# Altium PCB micro-ltc-pvt1g.PcbDoc (part 1 of 4)
Units mm, origin at the board's own origin, x right, y up, seen from the top; angles counter-clockwise.
Board outline 75.2 x 35.65 mm, 4 copper layers (Top, L2, L3, Bottom), stack 0.692 mm thick; 80 components, 47 nets, 716 pads, 100 vias.
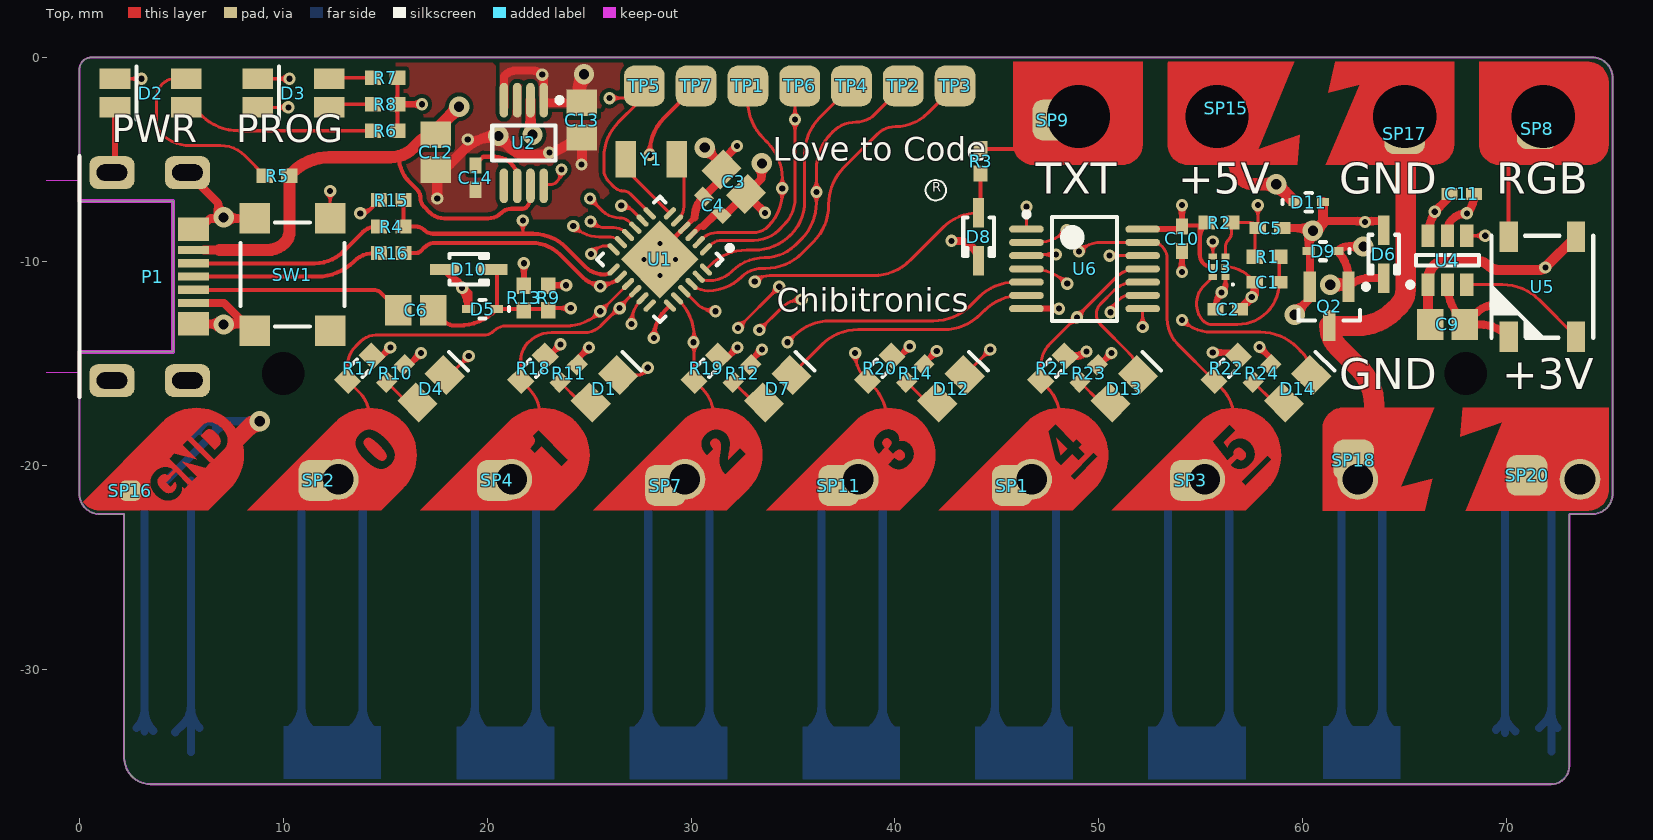
[diagram p0: Top view]
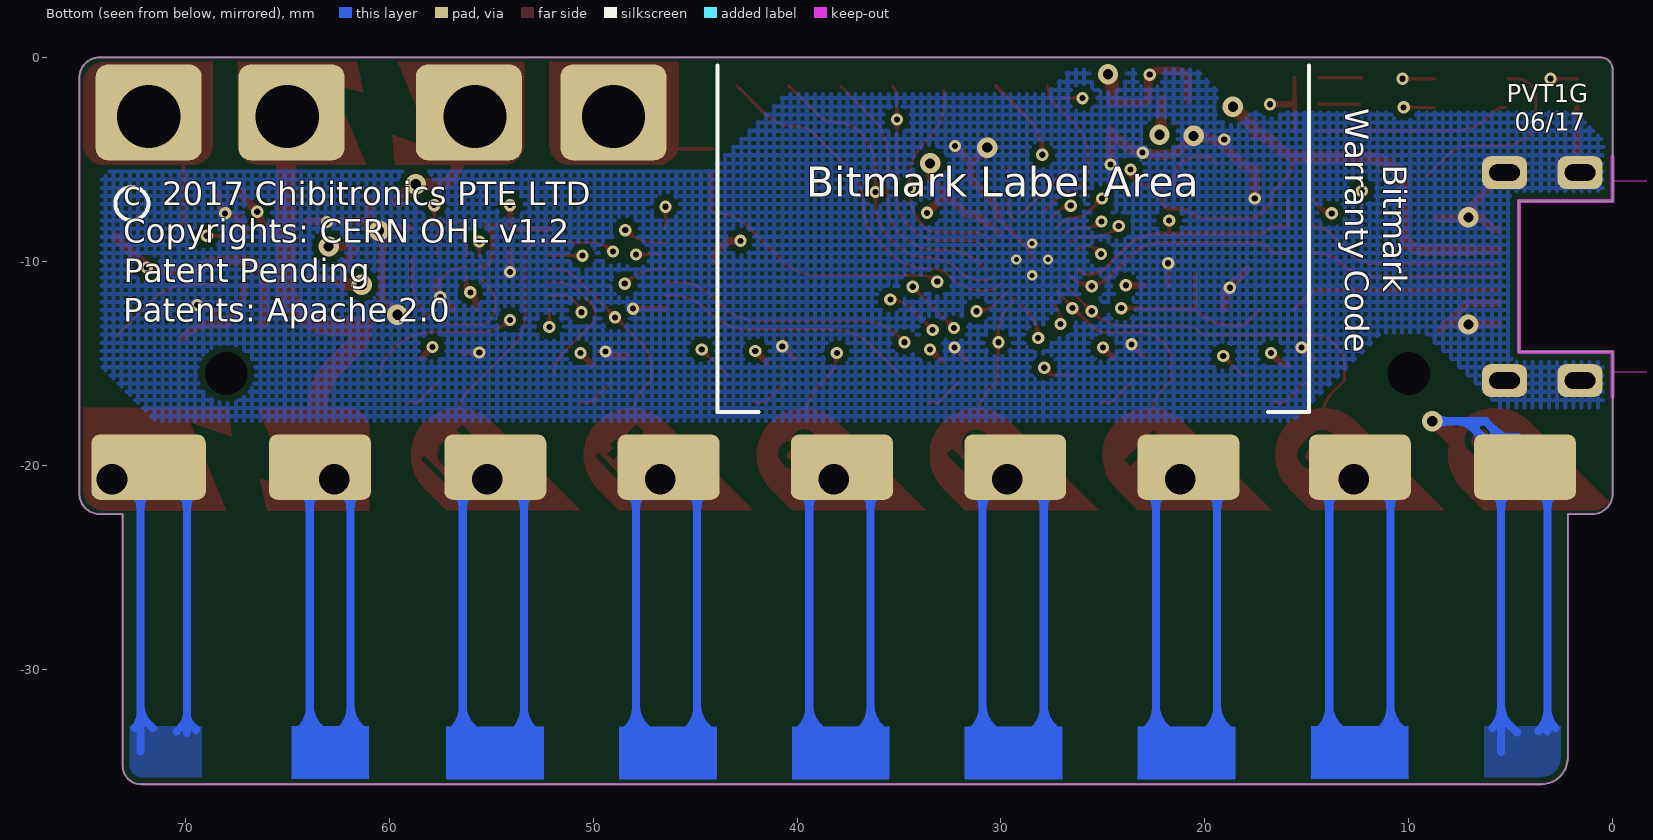
[diagram p1: Bottom view, seen from below]
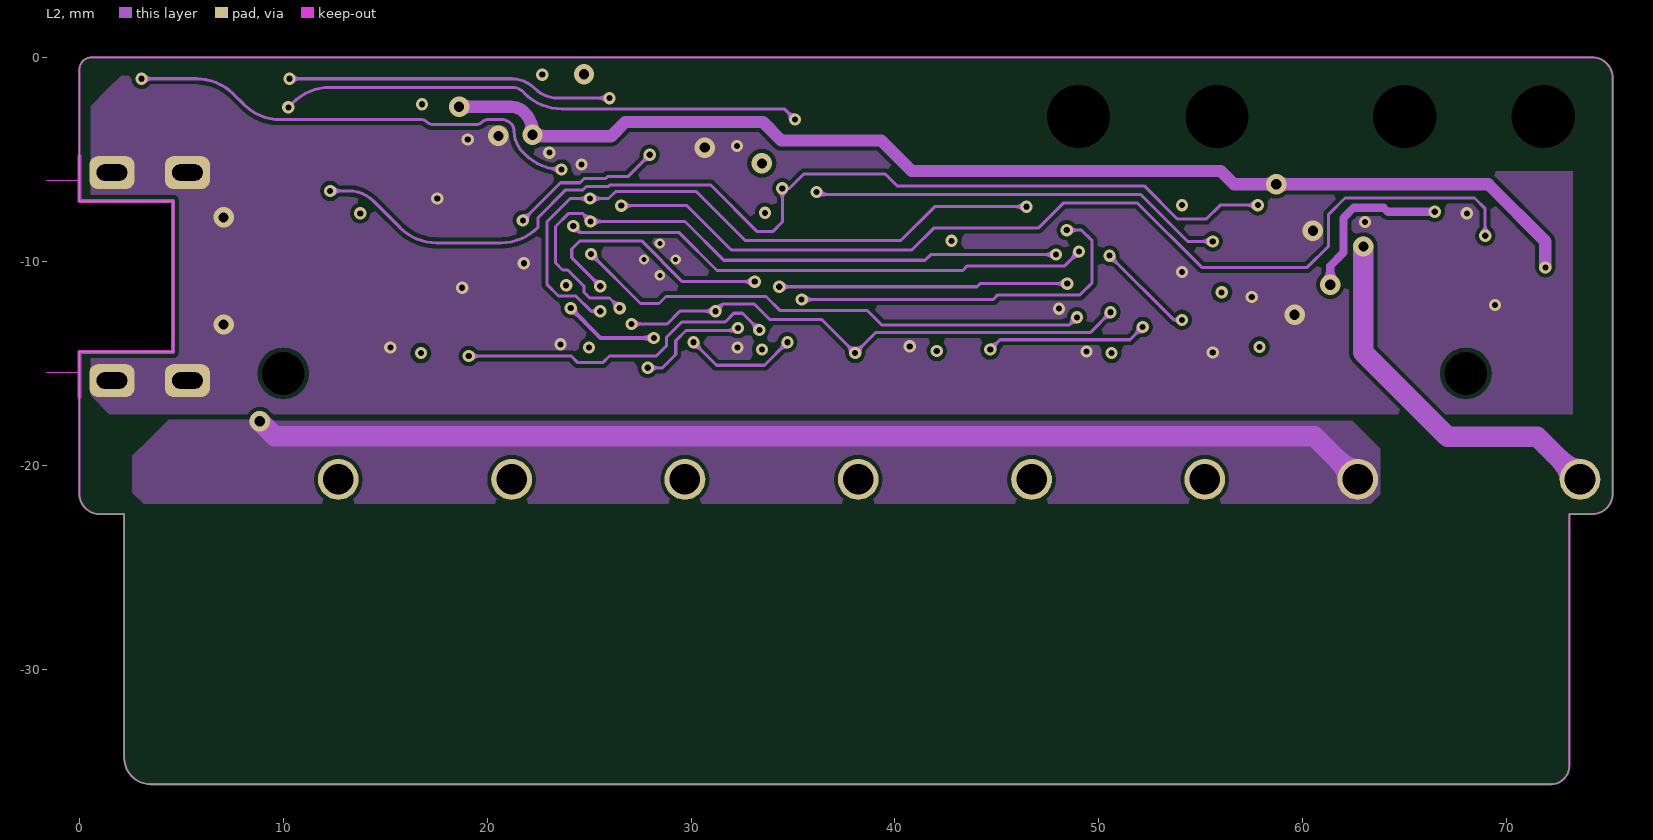
[diagram p2: L2]
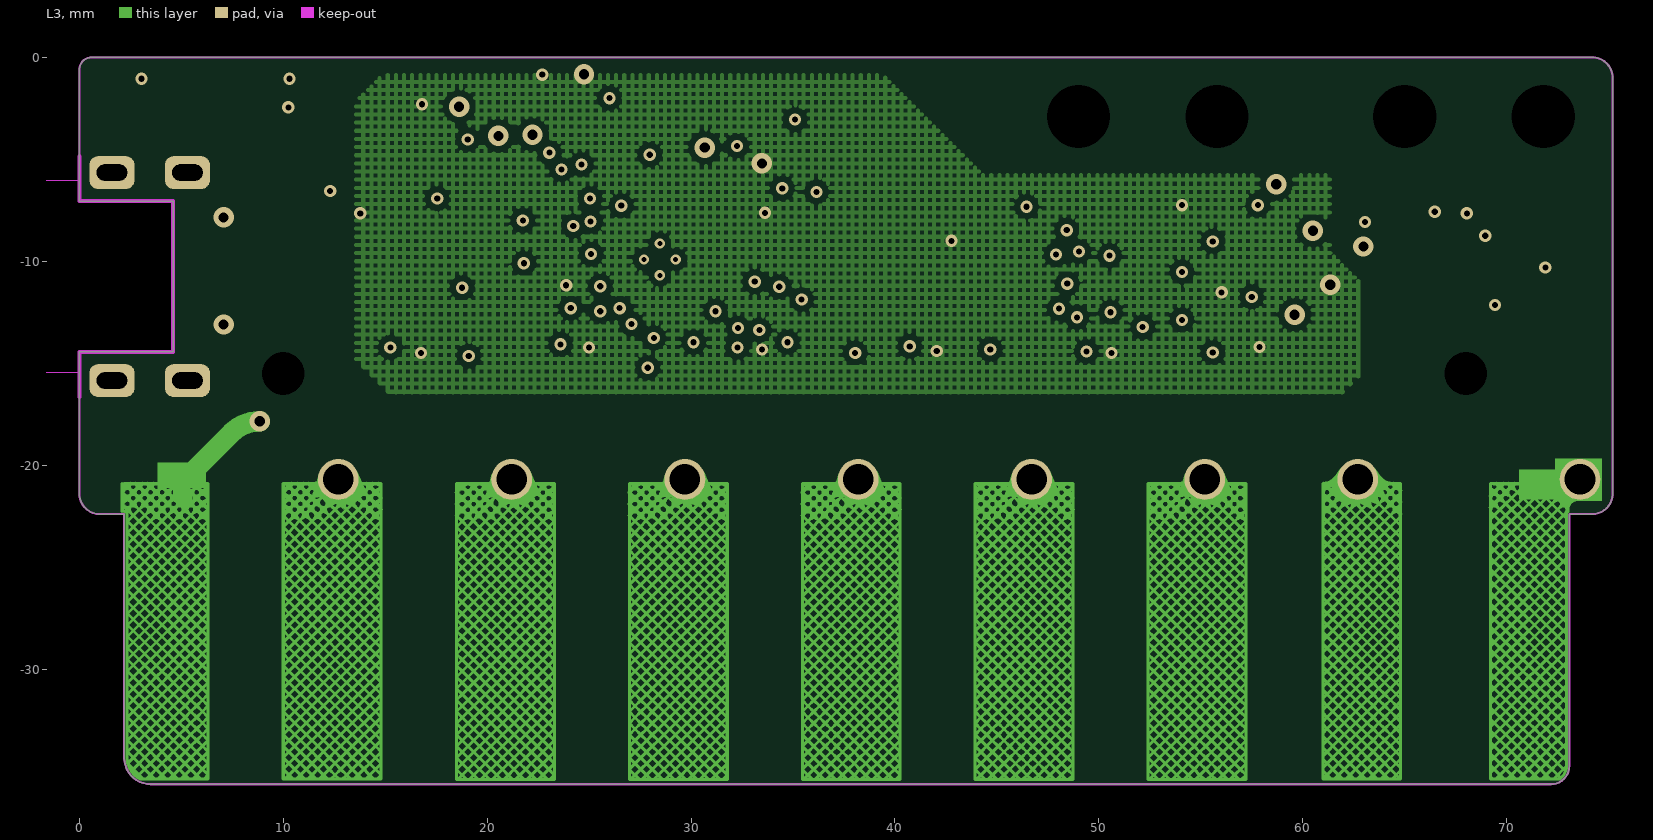
[diagram p3: L3]

## Layer stack, top to bottom
Top Solder: solder mask 0.0102, Polyimide, Dk 3.4
Top Solder: solder mask 0.0102, Solder Resist, Dk 3.5
Top: signal copper 0.036
Core: core 0.5, FR-4, Dk 4.2
L2: signal copper 0.017
NF-PP: prepreg 0.04, Dk 4.2
L3: signal copper 0.017
PI: dielectric 0.065, Dk 3.4
Bottom: signal copper 0.017
Bottom Coverlay: solder mask 0.0102, Polyimide, Dk 3.5

## Board outline
0,-21.4 0,-14.45 4.6,-14.45 4.6,-7.05 0,-7.05 0,-0.6 cw(c0.6,-0.6) 0.6,0 74.2,0 cw(c74.2,-1) 75.2,-1 75.2,-21.4 cw(c74.2,-21.4) 74.2,-22.4 73.075,-22.4 73.075,-34.75 cw(c72.175,-34.75) 72.175,-35.65 3.5,-35.65 cw(c3.5,-34.35) 2.2,-34.35 2.2,-22.4 1,-22.4 cw(c1,-21.4)
cut-out: 4.6,-7.05 0.025,-7.05 0,-7.025 0,-6.05 -1.8,-6.05 -1.8,-15.45 -1.4,-15.45 0,-15.45 0,-14.45 4.6,-14.45
board region "Layer Stack Region 1": 2.2,-22.4 1,-22.4 0.902,-22.4 0.708,-22.362 0.526,-22.286 0.363,-22.177 0.223,-22.037 0.114,-21.874 0.038,-21.692 0,-21.498 0,-21.4 0,-14.45 4.6,-14.45 4.6,-7.05 0,-7.05 0,-0.6 0,-0.481 0.091,-0.26 0.26,-0.091 0.481,0 0.6,0 74.2,0 74.298,0 74.492,-0.038 74.674,-0.114 74.837,-0.223 74.977,-0.363 75.086,-0.526 75.162,-0.708 75.2,-0.902 75.2,-1 75.2,-21.4 75.2,-21.498 75.162,-21.692 75.086,-21.874 74.977,-22.037 74.837,-22.177 74.674,-22.286 74.492,-22.362 74.298,-22.4 74.2,-22.4 74.182,-22.4
board region "Layer Stack Region 1": 73.075,-22.4 73.075,-34.75 73.075,-34.839 73.04,-35.013 72.973,-35.176 72.874,-35.324 72.749,-35.449 72.601,-35.548 72.438,-35.615 72.264,-35.65 72.175,-35.65 3.5,-35.65 3.372,-35.65 3.121,-35.6 2.884,-35.502 2.671,-35.36 2.49,-35.179 2.348,-34.966 2.25,-34.729 2.2,-34.478 2.2,-34.35 2.2,-22.4

## Design rules (kind name [scope] priority, off if disabled: settings)
Clearance Clearance_rigid_polygon [InPolygon and ((Layer = 'Top') or (Layer = 'L2'))] p1: gap=0.2 ignorepadtopadclearanceinfootprint=FALSE except(0: Arc-Hole Track-Hole SMDPad-Hole THPad-Hole Via-Hole Fill-Hole Poly-Hole Region-Hole Text-Hole)
Clearance Clearance_L4 [OnLayer('Bottom')] p2: gap=0.3 ignorepadtopadclearanceinfootprint=FALSE except(0: Arc-Hole Track-Hole SMDPad-Hole THPad-Hole Via-Hole Fill-Hole Poly-Hole Region-Hole Text-Hole)
Clearance Clearance_L3 [OnLayer('L3') and InPolygon] p3: gap=0.3 ignorepadtopadclearanceinfootprint=FALSE except(0: Arc-Hole Track-Hole SMDPad-Hole THPad-Hole Via-Hole Fill-Hole Poly-Hole Region-Hole Text-Hole)
Clearance Clearance_KO_Flex [(OnLayer('Keep-Out Layer')) vs (OnLayer('L3')) OR (OnLayer('Bottom'))] p4: gap=0.01 ignorepadtopadclearanceinfootprint=FALSE except(0: Arc-Hole Track-Hole SMDPad-Hole THPad-Hole Via-Hole Fill-Hole Poly-Hole Region-Hole Text-Hole)
Clearance Clearance_NPTH [PadIsPlated = 'False'] p5: gap=0.3 ignorepadtopadclearanceinfootprint=FALSE except(0: Arc-Hole Track-Hole SMDPad-Hole THPad-Hole Via-Hole Fill-Hole Poly-Hole Region-Hole Text-Hole)
Clearance [All] p6: gap=0.15 ignorepadtopadclearanceinfootprint=FALSE except(0: Arc-Hole Track-Hole SMDPad-Hole THPad-Hole Via-Hole Fill-Hole Poly-Hole Region-Hole Text-Hole)
ComponentClearance [All] p1 off: gap=0.254 collisioncheckmode=3 verticalgap=0.254 showdistances=FALSE
HoleSize [All] p1: absolutevalues=TRUE maxlimit=4 minlimit=0.025 maxpercent=80.000 minpercent=20.000
MinimumSolderMaskSliver [All] p1: minsoldermaskwidth=0.07
NetAntennae [All] p1 off: netantennaetolerance=0
PolygonConnect [All] p1: connectstyle=Direct reliefconductorwidth=0.254 reliefentries=4 polygonreliefangle="90 Angle" airgapwidth=0.15
RoomDefinition 01micro [InComponentClass('01micro')] p1 off: confinementstyle=ConfineIn formatcopy=TRUE lockcomponents=FALSE outline 5.525,-49.6 13.525,-49.6 13.525,-22.6 5.525,-22.6
RoutingVias [All] p1: holewidth=0.3 width=0.6 viastyle="Through Hole" minholewidth=0.25 minwidth=0.5 maxholewidth=0.5 maxwidth=1
SilkToSilkClearance [All] p1 off: silktosilkclearance=0.254
SilkToSolderMaskClearance [IsPad] p1 off: minsilkscreentomaskgap=0.254 clearancetoexposedcopper=TRUE
SolderMaskExpansion [All] p1: expansion=0.07
Width [All] p1: maxlimit=4 minlimit=0.15 preferedwidth=0.2 midlayer1_maxwidth=2 midlayer2_maxwidth=2 minimp=50.000000 maximp=50.000000 favimp=50.000000
24 further rules are at their usual default settings.

## Components (designator, comment, footprint, x,y, rotation, side; value= is the part's Value field where it differs from the comment)
C1 "0.1uF, 10V, X5R" CAPC1005N 58.25,-11.025 r180 top
C2 "0.1uF, 10V, X5R" CAPC1005N 56.325,-12.35 r0 top
C3 "10uF, 10V, X5R" CAPC2012N 32.1,-6.1 r135 top
C4 "0.1uF, 10V, X5R" CAPC1005N 31.06,-7.255 r135 top
C5 "0.01uF, 10V, X7R" CAPC1005N 58.4,-8.375 r0 top
C6 "10uF, 10V, X5R" CAPC2012N 16.5,-12.4 r0 top
C9 "10uF, 10V, X5R" CAPC2012N 67.1,-13.1 r0 top
C10 "0.1uF, 10V, X5R" CAPC1005N 54.075,-8.9 r90 top
C11 "0.1uF, 10V, X5R" CAPC1005N 67.8,-6.7 r0 top
C12 "10uF, 10V, X5R" CAPC2012N 17.475,-4.65 r270 top
C13 "10uF, 10V, X5R" CAPC2012N 24.65,-3.075 r270 top
C14 "0.033uF, 16V, X7R" CAPC1005N 19.425,-5.9 r90 top
D1 "white LED 0805" CD2012-0805 25.75,-16.25 r45 top
D2 "Red/Green Dual LED" LED_1210_DUAL 3.5,-1.75 r0 top
D3 "Red/Green Dual LED" LED_1210_DUAL 10.5,-1.75 r0 top
D4 "white LED 0805" CD2012-0805 17.25,-16.25 r45 top
D5 "ESD5Z3.3T1" SOD-523 19.775,-12.35 r180 top
D6 "NSR0530HT1G" SOD-323 63.975,-9.65 r270 top
D7 "white LED 0805" CD2012-0805 34.25,-16.25 r45 top
D8 "NSR0530HT1G" SOD-323 44.1,-8.8 r270 top
D9 "ESD5Z3.3T1" SOD-523 61,-9.5 r180 top
D10 "NSR0530HT1G" SOD-323 19.1,-10.4 r0 top
D11 "ESD5Z5.0T1G" SOD-523 60.3,-7.1 r0 top
D12 "white LED 0805" CD2012-0805 42.75,-16.25 r45 top
D13 "white LED 0805" CD2012-0805 51.25,-16.25 r45 top
D14 "white LED 0805" CD2012-0805 59.75,-16.25 r45 top
P1 "CMCUSB-5BFM12AG-01-D" FCI_10103593 6.4,-10.75 r270 top
Q2 "AO3414" SOT23-3N 61.3,-12.2 r270 top
R1 "10k, 1%" RESC1005N 58.25,-9.775 r180 top
R2 "1k, 1%" RESC1005N 55.9,-8.1 r0 top
R3 "330, 1%" RESC1005N 44.2,-5.1 r90 top
R4 "100, 1%" RESC1005N 15.3,-8.3 r180 top
R5 "470, 1%" RESC1005N 9.7,-5.8 r180 top
R6 "470, 1%" RESC1005N 15,-3.6 r180 top
R7 "470, 1%" RESC1005N 15,-1 r180 top
R8 "470, 1%" RESC1005N 15,-2.3 r180 top
R9 "1k, 1%" RESC1005N 23,-11.8 r270 top
R10 "470, 1%" RESC1005N 15.5,-15.5 r225 top
R11 "470, 1%" RESC1005N 24,-15.5 r225 top
R12 "470, 1%" RESC1005N 32.5,-15.5 r225 top
R13 "1k, 1%" RESC1005N 21.8,-11.8 r90 top
R14 "470, 1%" RESC1005N 41,-15.5 r225 top
R15 "1.5k, 1%" RESC1005N 15.3,-7 r0 top
R16 "100, 1%" RESC1005N 15.3,-9.6 r180 top
R17 "22M, 5%" RESC1608N 13.75,-15.25 r45 top
R18 "22M, 5%" RESC1608N 22.25,-15.25 r45 top
R19 "22M, 5%" RESC1608N 30.75,-15.25 r45 top
R20 "22M, 5%" RESC1608N 39.25,-15.25 r45 top
R21 "22M, 5%" RESC1608N 47.75,-15.25 r45 top
R22 "22M, 5%" RESC1608N 56.25,-15.25 r45 top
R23 "470, 1%" RESC1005N 49.5,-15.5 r225 top
R24 "470, 1%" RESC1005N 58,-15.5 r225 top
SP1 "sticker pad (DNP)" TP_2MM_SQ#1 45.75,-21 r270 top
SP2 "sticker pad (DNP)" TP_2MM_SQ#1 11.75,-20.75 r0 top
SP3 "sticker pad (DNP)" TP_2MM_SQ#1 54.5,-20.75 r270 top
SP4 "sticker pad (DNP)" TP_2MM_SQ#1 20.5,-20.75 r0 top
SP7 "sticker pad (DNP)" TP_2MM_SQ#1 28.75,-21 r0 top
SP8 "sticker pad (DNP)" TP_2MM_SQ#1 71.5,-3.5 r90 top
SP9 "sticker pad (DNP)" CHIBI-MICRO-PAD-MIN-PLACEHOLDER#1 47.75,-5 r270 top
SP11 "sticker pad (DNP)" TP_2MM_SQ#1 37.25,-21 r90 top
SP15 "sticker pad (DNP)" CHIBI-MICRO-PAD-MIN-PLACEHOLDER#2 56.25,-2.5 r90 top
SP16 "sticker pad (DNP)" TP_2MM_SQ#2 2.5,-21.25 r90 top
SP17 "sticker pad (DNP)" TP_2MM_SQ#1 65,-3.75 r90 top
SP18 "sticker pad (DNP)" TP_2MM_SQ#1 62.5,-19.75 r90 top
SP20 "sticker pad (DNP)" TP_2MM_SQ#1 71,-20.5 r90 top
SW1 "5x5mm 1.6mm tall PB" SWITCH_TS-1187A 8.6,-7.9 r0 top
TP1 "test point (DNP)" TP_2MM_SQ#1 32.79,-1.4 r0 top
TP2 "test point (DNP)" TP_2MM_SQ#1 40.41,-1.4 r0 top
TP3 "test point (DNP)" TP_2MM_SQ#1 42.95,-1.4 r0 top
TP4 "test point (DNP)" TP_2MM_SQ#1 37.87,-1.4 r0 top
TP5 "test point (DNP)" TP_2MM_SQ#1 27.71,-1.4 r0 top
TP6 "test point (DNP)" TP_2MM_SQ#1 35.33,-1.4 r0 top
TP7 "test point (DNP)" TP_2MM_SQ#1 30.25,-1.4 r0 top
U1 "MKL02Z32VFK4" QFN50P400X400X100_HS-25N 28.468,-9.913 r225 top
U2 "LP3982IMM-3.3/NOPB" MUA08A_N 21.8,-4.2 r270 top
U3 "74AUP1T97L6X" FSC-L6X-PSON50P100X55-6N 55.9,-10.275 r180 top
U4 "74LVC1T45W6-7" SOT26A-6N 67.1,-9.95 r90 top
U5 "WS2812B" WS2812B 71.75,-11.25 r270 top
U6 "74AHC14PW,118" 948G-01_N 49.3,-10.375 r0 top
Y1 "32.768kHz" ABS07-120 28.05,-5 r180 top

## Footprints (in the part's own frame and the unit in brackets; to place one, negate y for a bottom-side part, rotate by r counter-clockwise, add the part's x,y. Pads: shape width x height; smd on the part's side, far side on the other; paste and mask are expansions set on the pad)
948G-01_N [mm] "TSOP, 14-Leads, Body 5x4.4mm, Pitch 0.65mm, IPC Medium Density"
  oval 1.7x0.35 smd: 1(-2.85,1.95) 2(-2.85,1.3) 3(-2.85,0.65) 4(-2.85,0) 5(-2.85,-0.65) 6(-2.85,-1.3) 7(-2.85,-1.95) 8(2.85,-1.95) 9(2.85,-1.3) 10(2.85,-0.65) 11(2.85,0) 12(2.85,0.65) 13(2.85,1.3) 14(2.85,1.95)
  silkscreen extent -2.97,-2.55 1.6,2.8, body extent -2.25,-2.55 2.25,2.55, height 1.2
ABS07-120 [mm] "32.768kHz SMD low-ESR"
  rect 1x1.8 smd: 1(-1.25,0) 2(1.25,0)
  body extent -1.6,-0.75 1.6,0.75, height 0.9
CAPC1005N [mm] "Chip Capacitor, Body 1.0x0.5mm, IPC Medium Density"
  rect 0.8x0.6 smd: 1(-0.6,0) 2(0.6,0)
  body extent -0.55,-0.3 0.55,0.3, height 0.6
CAPC2012N [mm] "Chip Capacitor, Body 2.0x1.3mm, IPC Medium Density"
  rect 1.3x1.5 smd: 1(-0.85,0) 2(0.85,0)
  body extent -1.1,-0.72 1.1,0.72, height 1.1
CD2012-0805 [mm] "Chip Diode; Body 2.0 x 1.3 mm (LxW typ)"
  rect 1.3x1.5 smd: 1(-0.95,0) 2(0.95,0)
  silkscreen extent 1.9,-0.65 1.9,0.65
CHIBI-MICRO-PAD-MIN-PLACEHOLDER#1 [mm] "Placeholder for final design of microcontroller pad - minimal usable size"
  rrect50% 2x2 smd: 1(-1.925,0)
CHIBI-MICRO-PAD-MIN-PLACEHOLDER#2 [mm] "Placeholder for final design of microcontroller pad - minimal usable size"
  rrect50% 1x1 smd: 1(0,0)
FCI_10103593 [mm] "FCI Micro USB B-type mid-mount"
  rrect50% 1.6x2.2 hole 0.8 slot 1.5 at 90 deg mask+0.07: 0(-5.1,-1.1) 0(-5.1,-4.8) 0(5.1,-1.1) 0(5.1,-4.8)
  rect 1.15x1.5 smd mask+0.07: 0(-2.325,-0.8) 0(2.325,-0.8)
  rect 0.4x1.5 smd mask+0.07: 1(-1.3,-0.8) 2(-0.65,-0.8) 3(0,-0.8) 4(0.65,-0.8) 5(1.3,-0.8)
  Keep-Out Layer lines w0.2: 5.9,-6.4 3.7,-6.4 3.7,-1.8 -3.7,-1.8 -3.7,-6.4 -5.9,-6.4
  silkscreen extent -5.9,-6.4 5.9,-6.4, body extent -5.25,-7.52 5.25,-0.6, height 2.15
FSC-L6X-PSON50P100X55-6N [mm] "PSON, 6-Leads, Body 1.45x1.00mm, Pitch 0.50mm, IPC Medium Density"
  rect 0.4x0.3 smd mask+0: 1(-0.31,0.5) 2(-0.31,0) 3(-0.31,-0.5) 4(0.31,-0.5) 5(0.31,0) 6(0.31,0.5)
  silkscreen extent -0.72,0.81 -0.62,0.91, body extent -0.53,-0.75 0.53,0.75, height 0.55
LED_1210_DUAL [mm] "1210-sized dual LED package"
  rect 1.5x1 smd: 1(1.75,-0.7) 2(1.75,0.7) 3(-1.75,-0.7) 4(-1.75,0.7)
  silkscreen extent -0.7,-1.3 -0.7,1.3, body extent -1.6,-1.4 1.6,1.4, height 1.1
MUA08A_N [mm] "TSOP, 8-Leads, Body 3x3mm, Pitch 0.65mm, IPC Medium Density"
  oval 1.7x0.42 smd: 1(-2.1,0.975) 2(-2.1,0.325) 3(-2.1,-0.325) 4(-2.1,-0.975) 5(2.1,-0.975) 6(2.1,-0.325) 7(2.1,0.325) 8(2.1,0.975)
  silkscreen extent -2.22,-1.55 0.85,1.88, body extent -1.55,-1.55 1.55,1.55, height 1.09
QFN50P400X400X100_HS-25N [mm] "QFN, 24-Leads, Body 4.00x4.00mm, Pitch 0.50mm, Thermal Pad 2.80x2.80mm, IPC Medium Density"
  oval 0.75x0.25 smd mask+0.07: 1(-1.95,1.25) 2(-1.95,0.75) 3(-1.95,0.25) 4(-1.95,-0.25) 5(-1.95,-0.75) 6(-1.95,-1.25) 13(1.95,-1.25) 14(1.95,-0.75) 15(1.95,-0.25) 16(1.95,0.25) 17(1.95,0.75) 18(1.95,1.25)
  oval 0.25x0.75 smd mask+0.07: 7(-1.25,-1.95) 8(-0.75,-1.95) 9(-0.25,-1.95) 10(0.25,-1.95) 11(0.75,-1.95) 12(1.25,-1.95) 19(1.25,1.95) 20(0.75,1.95) 21(0.25,1.95) 22(-0.25,1.95) 23(-0.75,1.95) 24(-1.25,1.95)
  rect 2.7x2.7 smd mask+0: 25(0,0)
  silkscreen extent -2.95,-2.18 2.18,2.18, body extent -2.03,-2.03 2.03,2.03, height 1
RESC1005N [mm] "Chip Resistor, Body 1.1x0.5mm, IPC Medium Density"
  rect 0.8x0.7 smd: 1(-0.6,0) 2(0.6,0)
  body extent -0.55,-0.3 0.55,0.3, height 0.4
RESC1608N [mm] "Chip Resistor, Body 1.6x0.8mm, IPC Medium Density"
  rect 0.9x1 smd: 1(-0.85,0) 2(0.85,0)
  silkscreen extent -0.2,-0.4 0.2,0.4, body extent -0.85,-0.47 0.85,0.47, height 0.6
SOD-323 [mm] "SOD-323/SC-76; 2 Leads; Body 1.7 x 1.3 mm, (LxW)"
  rect 1.45x0.55 smd: 1(1.175,0) 2(-1.175,0)
  silkscreen extent -0.95,-0.75 0.95,0.75
SOD-523 [mm] "Molded Diode, 2-Leads, Body 1.2x0.8mm, IPC Medium Density"
  rect 0.6x0.4 smd: 1(-0.7,0) 2(0.7,0)
  silkscreen extent -1.3,-0.45 0.15,0.45, body extent -0.65,-0.45 0.65,0.45, height 0.7
SOT23-3N [mm] "SOT23, 3-Leads, Body 2.9x1.3mm, Pitch 0.95mm, Lead Span 2.5mm, IPC Medium Density"
  rect 1.5x0.6 smd: 1(-0.95,0.95) 2(-0.95,-0.95) 3(0.95,0)
  silkscreen extent -1.07,-1.5 0.7,1.93, body extent -0.7,-1.5 0.7,1.5, height 1.1
SOT26A-6N [mm] "SOT23, 6-Leads, Body 2.9x1.7mm, Pitch 0.95mm, Lead Span 2.8mm, IPC Medium Density"
  rect 1.1x0.65 smd: 1(-1.2,0.95) 2(-1.2,0) 3(-1.2,-0.95) 4(1.2,-0.95) 5(1.2,0) 6(1.2,0.95)
  silkscreen extent -1.32,-1.55 0.25,1.95, body extent -0.9,-1.55 0.9,1.55, height 1.45
SWITCH_TS-1187A [mm] "TS-1187A tact switch, Chi Fung Electronics"
  rect 1.5x1.5 smd mask+0.07: 1(0,0) 2(0,-5.5) 3(3.7,0) 4(3.7,-5.5)
  silkscreen extent -0.7,-5.3 4.4,-0.2, body extent -0.7,-5.3 4.4,-0.2, height 1.6
TP_2MM_SQ#1 [mm] "2mm x 2mm square test pad"
  rrect50% 2x2 smd: 1(0,0)
TP_2MM_SQ#2 [mm] "2mm x 2mm square test pad"
  rrect50% 1x1 smd: 1(0,0)
WS2812B [mm] "3-color RGB LED with internal controller"
  rect 1.5x0.9 smd: 1(-2.45,1.65) 2(-2.45,-1.65) 3(2.45,-1.65) 4(2.45,1.65)
  silkscreen extent -2.5,-2.5 2.5,2.5, body extent -2.5,-2.5 2.5,2.5, height 1.5

## Part data
C1 C2 C4 C10 C11: library part "Cap Semi", "Capacitor (Semiconductor SIM Model)", MPN=CL05A104KP5NNNC, MYPN=C-104-10-X5R-0402, VENDOR=Samsung
C3 C6 C9 C12 C13: library part "Cap Semi", "Capacitor (Semiconductor SIM Model)", MPN=CL21A106KPCLQNC, MYPN=C-106-10-X5R-0805, VENDOR=Samsung
C5: library part "Cap Semi", "Capacitor (Semiconductor SIM Model)", MPN=CL05B103KP5NNNC, MYPN=C-103-10-X7R-0402, VENDOR=Samsung
C14: library part "Cap Semi", "Capacitor (Semiconductor SIM Model)", MPN=CL05B333KO5NNNC, MYPN=C-333-16-X7R-0402, VENDOR=Samsung
D1 D4 D7 D12 D13 D14: library part LED2, "White LED", MPN=CB-2012QWC-P8, LatestRevisionDate=17-Jul-2002, LatestRevisionNote="Re-released for DXP Platform.", MYPN=D-LED-WHITE-0805, PackageReference=3.2X1.6X1.1, PackageVersion=Feb-2002, Published=8-Jun-2000, Publisher="Altium Limited", VENDOR="Cheng Guang Xing"
D2 D3: library part DUAL_LED_1210, "3.2mm x 2.7mm dual LED red/green", MPN=CB-3227QRQGC-PX, MYPN=D-LED-1210-DUAL-RED-GREEN, VENDOR=Citybright
D5 D9: library part Tranzorb, "On Semi 3.3V standoff TVS diode", MPN=ESD5Z3.3T1G, LatestRevisionDate=17-Jul-2002, LatestRevisionNote="Re-released for DXP Platform.", MYPN=D-ESD5Z3.3T1, PackageReference=DO-7, Published=24-Mar-1999, Publisher="Altium Limited", VENDOR="On Semiconductor"
D6 D8 D10: library part "D Schottky", "Schottky Diode", MPN=NSR0530H-D, MYPN=D-S-0p5-30-0p37-SOD323, Revision="July-2002: Re-released for DXP Platform.", VENDOR="Semtech HK LTD"
D11: library part Tranzorb, "On Semi 5.0V standoff TVS diode", LatestRevisionDate=17-Jul-2002, LatestRevisionNote="Re-released for DXP Platform.", MPN=ESD5Z5.0T1G, MYPN=D-ESD5Z5.0T1G, PackageReference=DO-7, Published=24-Mar-1999, Publisher="Altium Limited", VENDOR="On Semiconductor"
P1: library part "Header 5", "Micro USB B-type mid-mount", LatestRevisionDate=17-Jul-2002, LatestRevisionNote="Re-released for DXP Platform.", MPN=CMCUSB-5BFM12AG-01-D, MYPN=J-MICRO-USB-MID-FCI, Publisher="Altium Limited", VENDOR=Kaweei
Q2: library part MOSFET-N, "N-Channel MOSFET", LatestRevisionDate=17-Jul-2002, LatestRevisionNote="Re-released for DXP Platform.", MPN=AO3414, MYPN=Q-AO3414, PackageReference=E3, PackageVersion=1995/1996, Published=8-Jun-2000, Publisher="Altium Limited", VENDOR="Alpha & Omega Semiconductor"
R1: library part Res1, "Resistor", MPN=RS02U103FT, MYPN=R-103-1P-1_16W-0402, VENDOR=Fenghua
R2 R9: library part Res1, "Resistor", MPN=RS02U102FT, MYPN=R-102-1P-1_16W-0402, VENDOR=Fenghua
R3: library part Res1, "Resistor", MPN=RS02U331FT, MYPN=R-331-1P-1_16W-0402, VENDOR=Fenghua
R4 R16: library part Res1, "Resistor", MPN=RS02U101FT, MYPN=R-101-1P-1_16W-0402, VENDOR=Fenghua
R5 R6 R7 R8 R10 R11 R12 R14 R23 R24: library part Res1, "Resistor", MPN=RS02U471FT, MYPN=R-471-1P-1_16W-0402, VENDOR=Fenghua
R13: library part Res1, "Resistor", MPN=RS02U1021FT, MYPN=R-102-1P-1_16W-0402, VENDOR=Fenghua
R15: library part Res1, "Resistor", MPN=RS02U152FT, MYPN=R-152-1P-1_16W-0402, VENDOR=Fenghua
R17 R18 R19 R20 R21 R22: library part Res1, "Resistor", MPN=RS03U226FT, MYPN=R-226-1P-1_16W-0603, VENDOR=Fenghua
SP1 SP2 SP3 SP4 SP7 SP8 SP9 SP11 SP15 SP16 SP17 SP18 SP20 TP1 TP2 TP3 TP4 TP5 TP6 TP7: library part CON1, "Connector"
SW1: library part "Header 4", "Chi Fung TS-1187A", MPN=SW-PB-5X5-1.6, LatestRevisionDate=17-Jul-2002, LatestRevisionNote="Re-released for DXP Platform.", MYPN=SW-PB-5X5-1.6, Publisher="Altium Limited", VENDOR=Kangdeli
U1: "Kinetis KL02 32 KB Flash, 48MHz Cortex-M0+", MPN=MKL02Z32VFK4, MYPN=UMKL02Z32VFK4, VENDOR=NXP
U2: "Micropower, Ultra Low-Dropout, Low-Noise, 300mA CMOS Regulator, 8-pin Mini SOIC, Pb-Free", Manufacturer="National Semiconductor", PackageTopMarking=ZXTT*LEUB, PowerWise=N, Code_JEDEC=MO-187-AA, ComponentLink1Description="Manufacturer URL", ComponentLink1URL=http://www.national.com/, ComponentLink2Description="LP3982 Datasheet", ComponentLink2URL=http://www.national.com/ds/LP/LP3982.pdf, ComponentLink3Description="LP3982 Web Page", ComponentLink3URL=http://www.national.com/pf/LP/LP3982.html, ComponentLink4Description="MUA08A Package Page", ComponentLink4URL=http://www.national.com/packaging/folders/mua08a.html, CompType="LDO IC", DatasheetVersion=Mar-2006, High-Reliability=Y, MPN=LP3982IMM-3.3/NOPB, MYPN=ULP3982IMM-3.3/NOPB, PackageDescription="MINI SOIC, .118 x .118 x .034in, 8 Lead, .0256in Pitch", PackageReference=MUA08A, PackageVersion="revF, Apr-2008", PartNumber=LP3982IMM-3.3/NOPB, PinCount=8, RoHS=Y, VENDOR=TI
U3: "Low power configurable gate with voltage translator", MPN=74AUP1T97L6X, MYPN=U74AUP1T97, VENDOR="Fairchild Semiconductor"
U4: library part SN74LVC1T45, "Single-gate level translator", MPN=74LVC1T45W6-7, MYPN=USN74LVC1T45DBV, VENDOR="Diodes Incorporated"
U5: "RGB LED with integrated controller IC", MPN=WS2812B, MYPN=UWS2812B, VENDOR=Worldsemi
U6: library part MC74HC14ADTR2, "Hex Schmitt-Trigger Inverter", ComponentLink1Description="Manufacturer Link", ComponentLink1URL=http://www.onsemi.com/, ComponentLink2Description=Datasheet, ComponentLink2URL=http://www.onsemi.com/pub/Collateral/MC74HC14A-D.PDF, DatasheetVersion=Mar-2000, LatestRevisionDate=12-Dec-2006, LatestRevisionNote="IPC-7351 Footprint Added.", MPN=74AHC14PW,118, MYPN=U-74HC14TSSOP, PackageDescription="14-Pin Thin Small Outline Package 0.65 mm Pitch", PackageReference=948G-01, PackageVersion=1998, Published=15-Apr-2002, Publisher="Altium Limited", VENDOR=NXP
Y1: library part XTAL, "3.2 x 1.5mm 32.768 kHz crystal, 6pF CL 70k ESR, 20ppm", MPN=SJFC1332K06F20, MYPN=X-32.768K-SONGJI, VENDOR=Songji
